# Altium PCB UltraZohm_ADC.PcbDoc (part 1 of 4)
Units mil, origin at the board's own origin, x right, y up, seen from the top; angles counter-clockwise.
Board outline 6141.69 x 3937.01 mil, 4 copper layers (Top Layer, GND, VCC, Bottom Layer), stack 30.634 mil thick; 408 components, 185 nets, 1136 pads, 511 vias.
Unrouted connection lines stored in the file: 7.
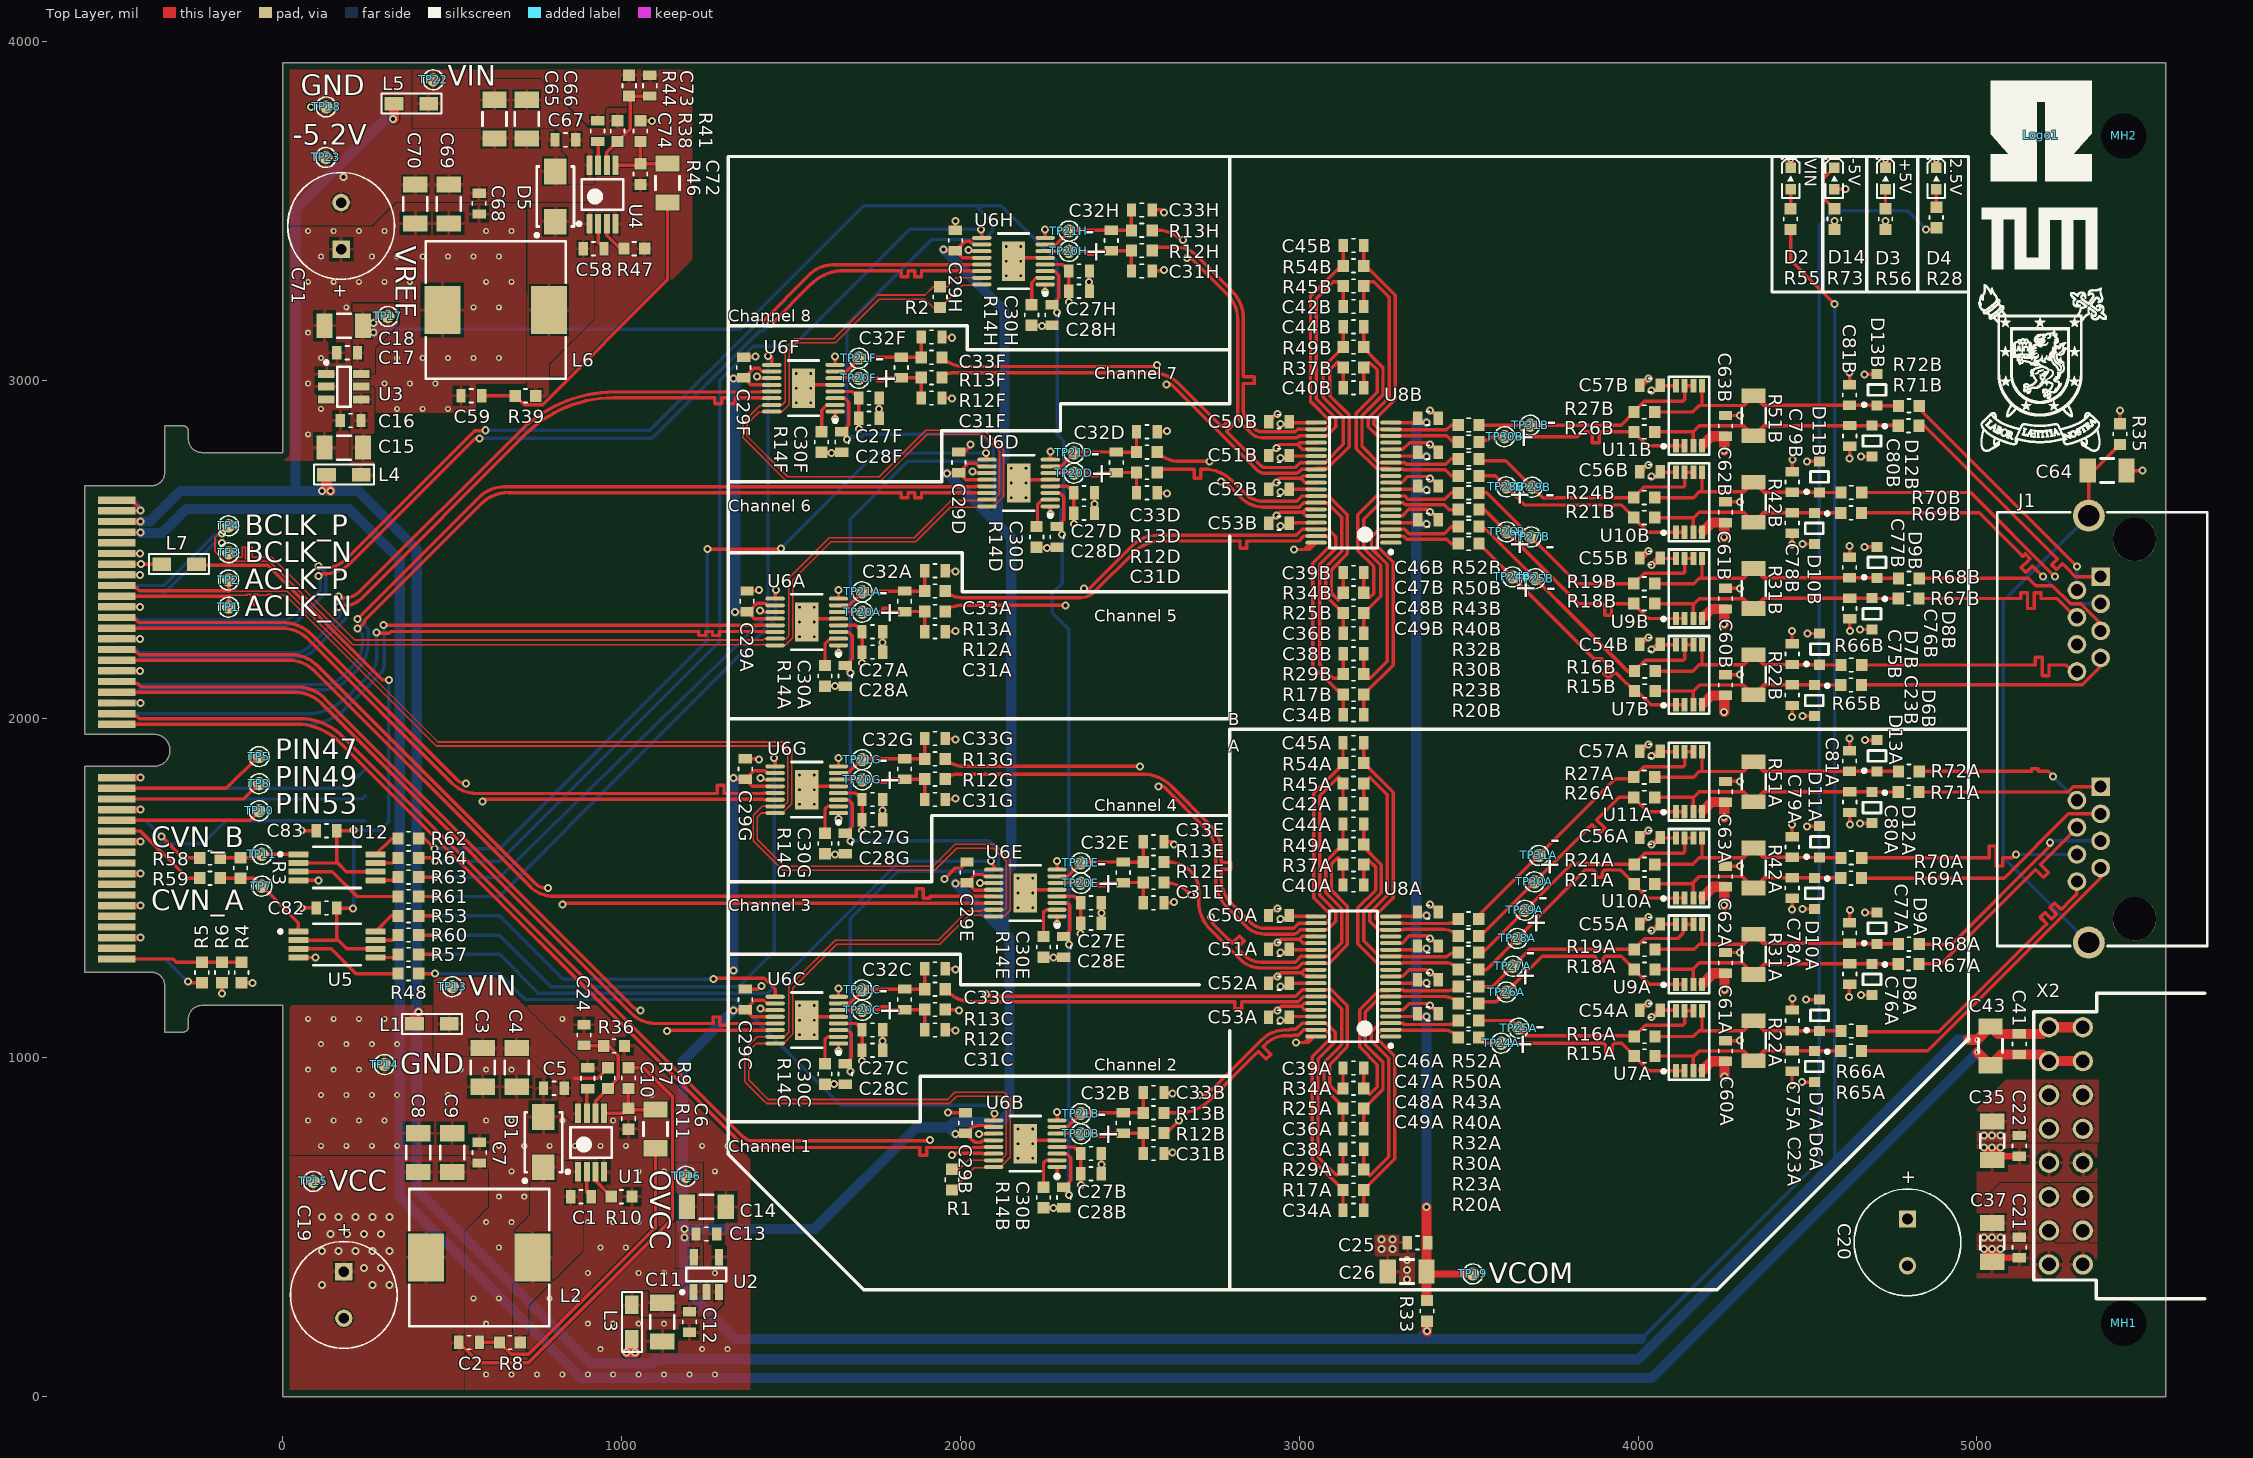
[diagram p0: Top Layer view]
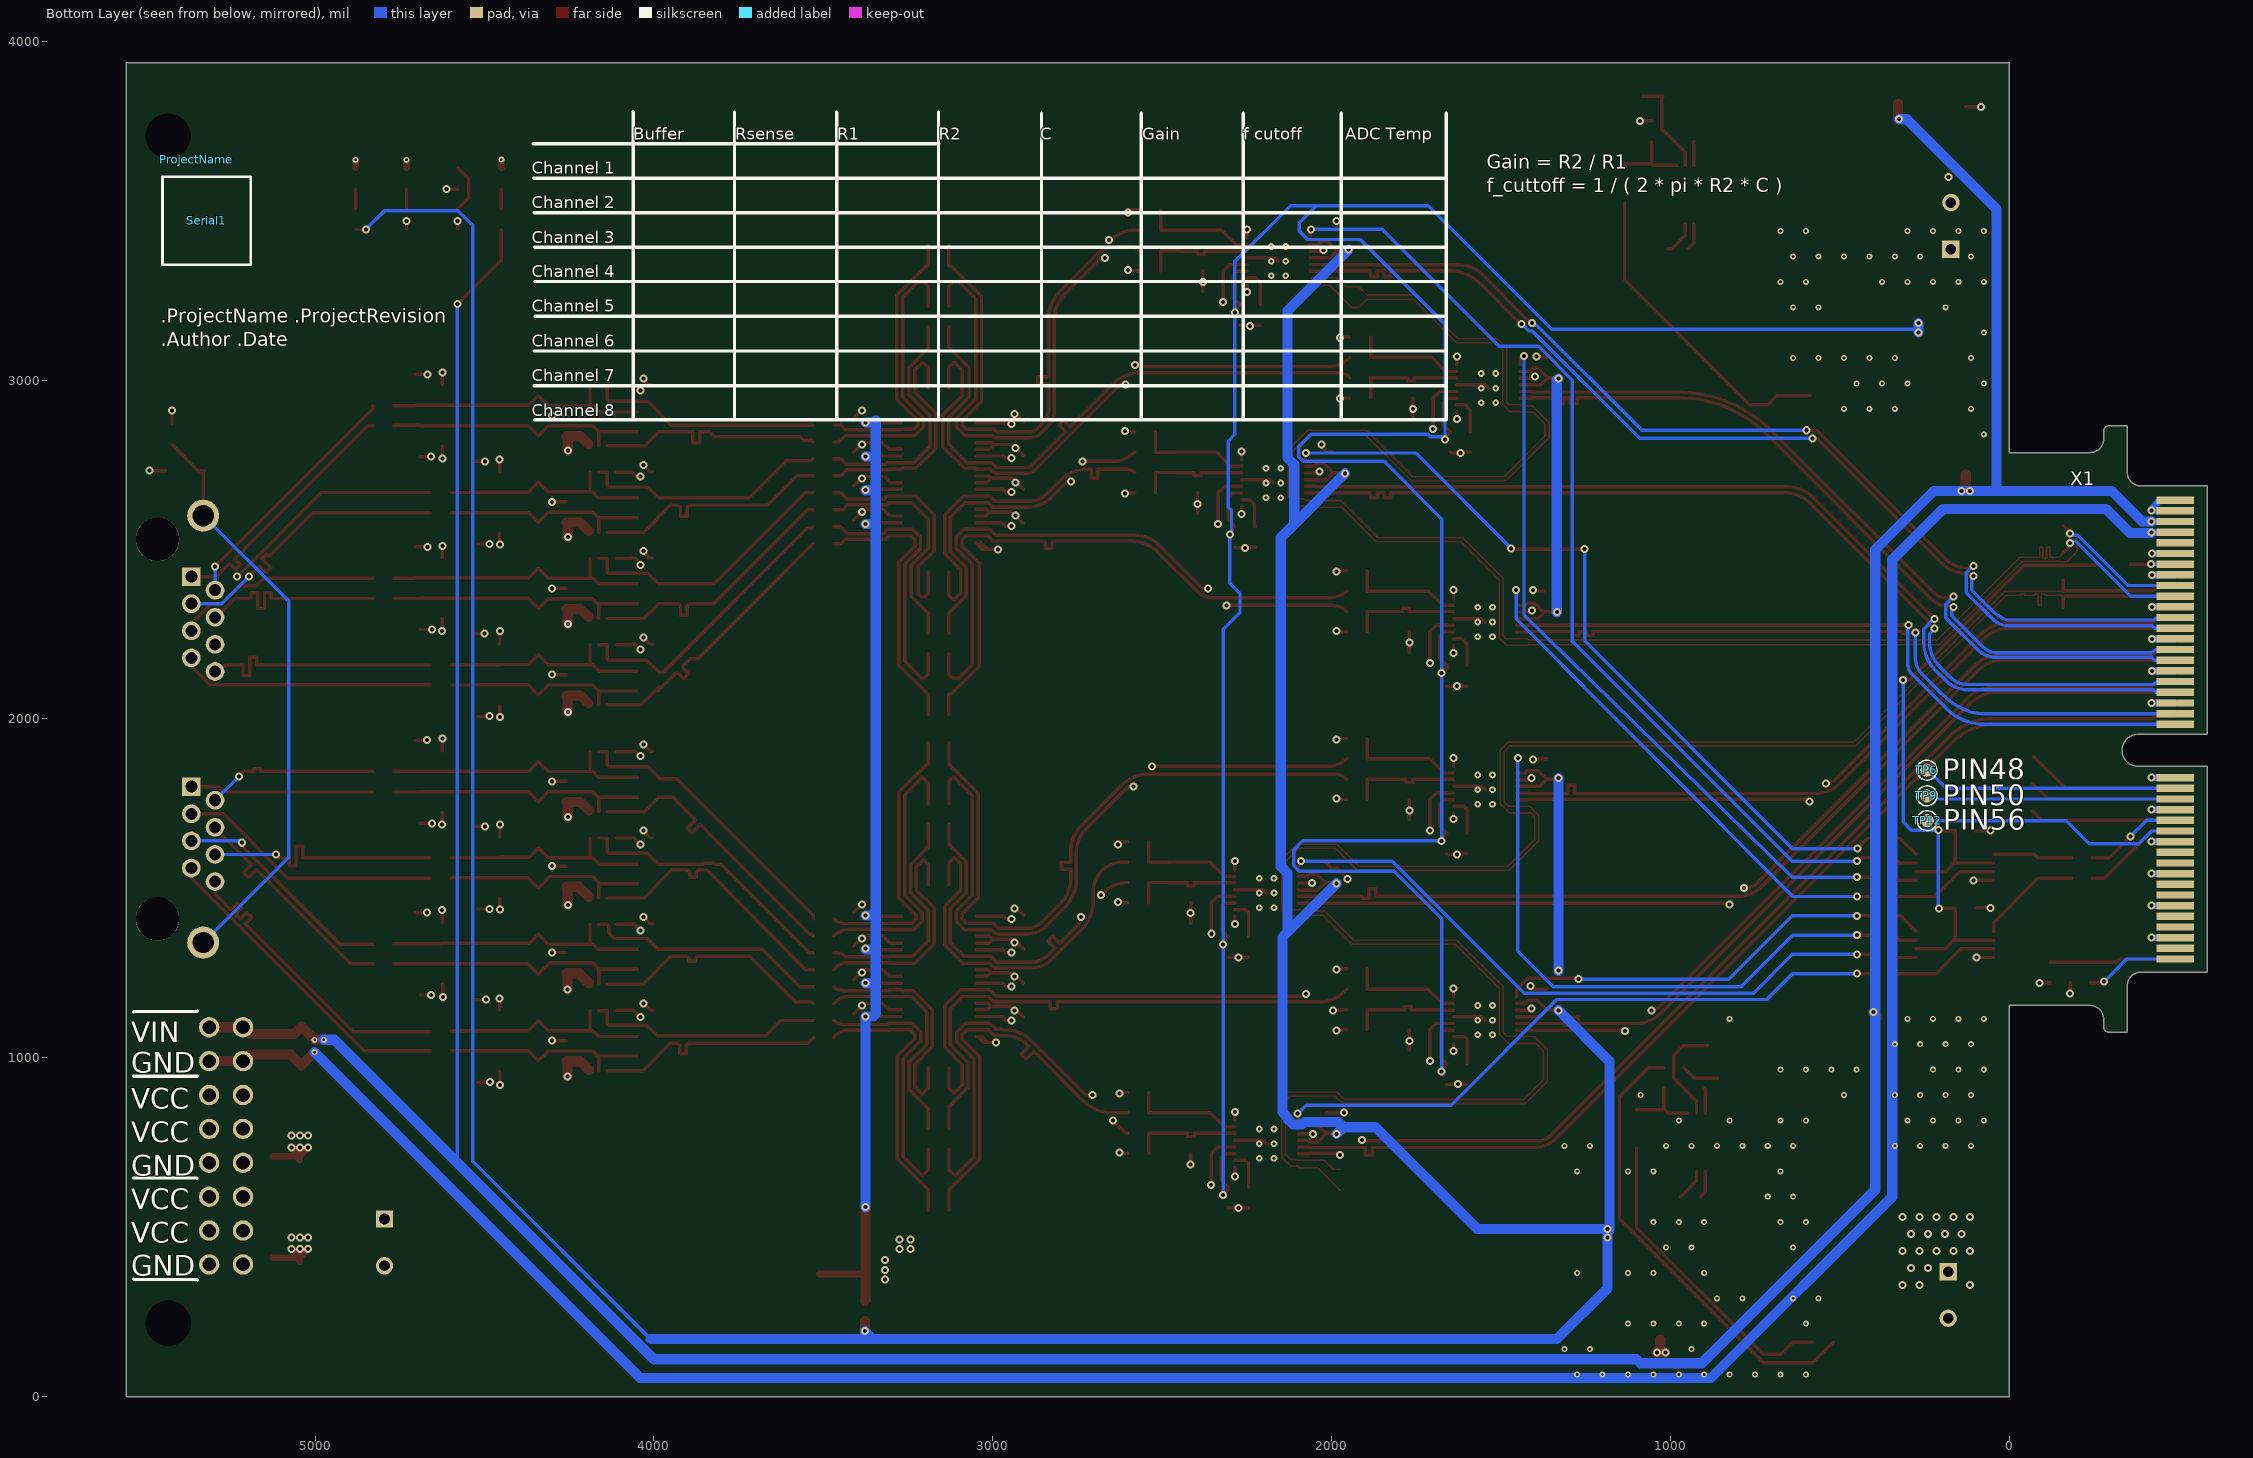
[diagram p1: Bottom Layer view, seen from below]
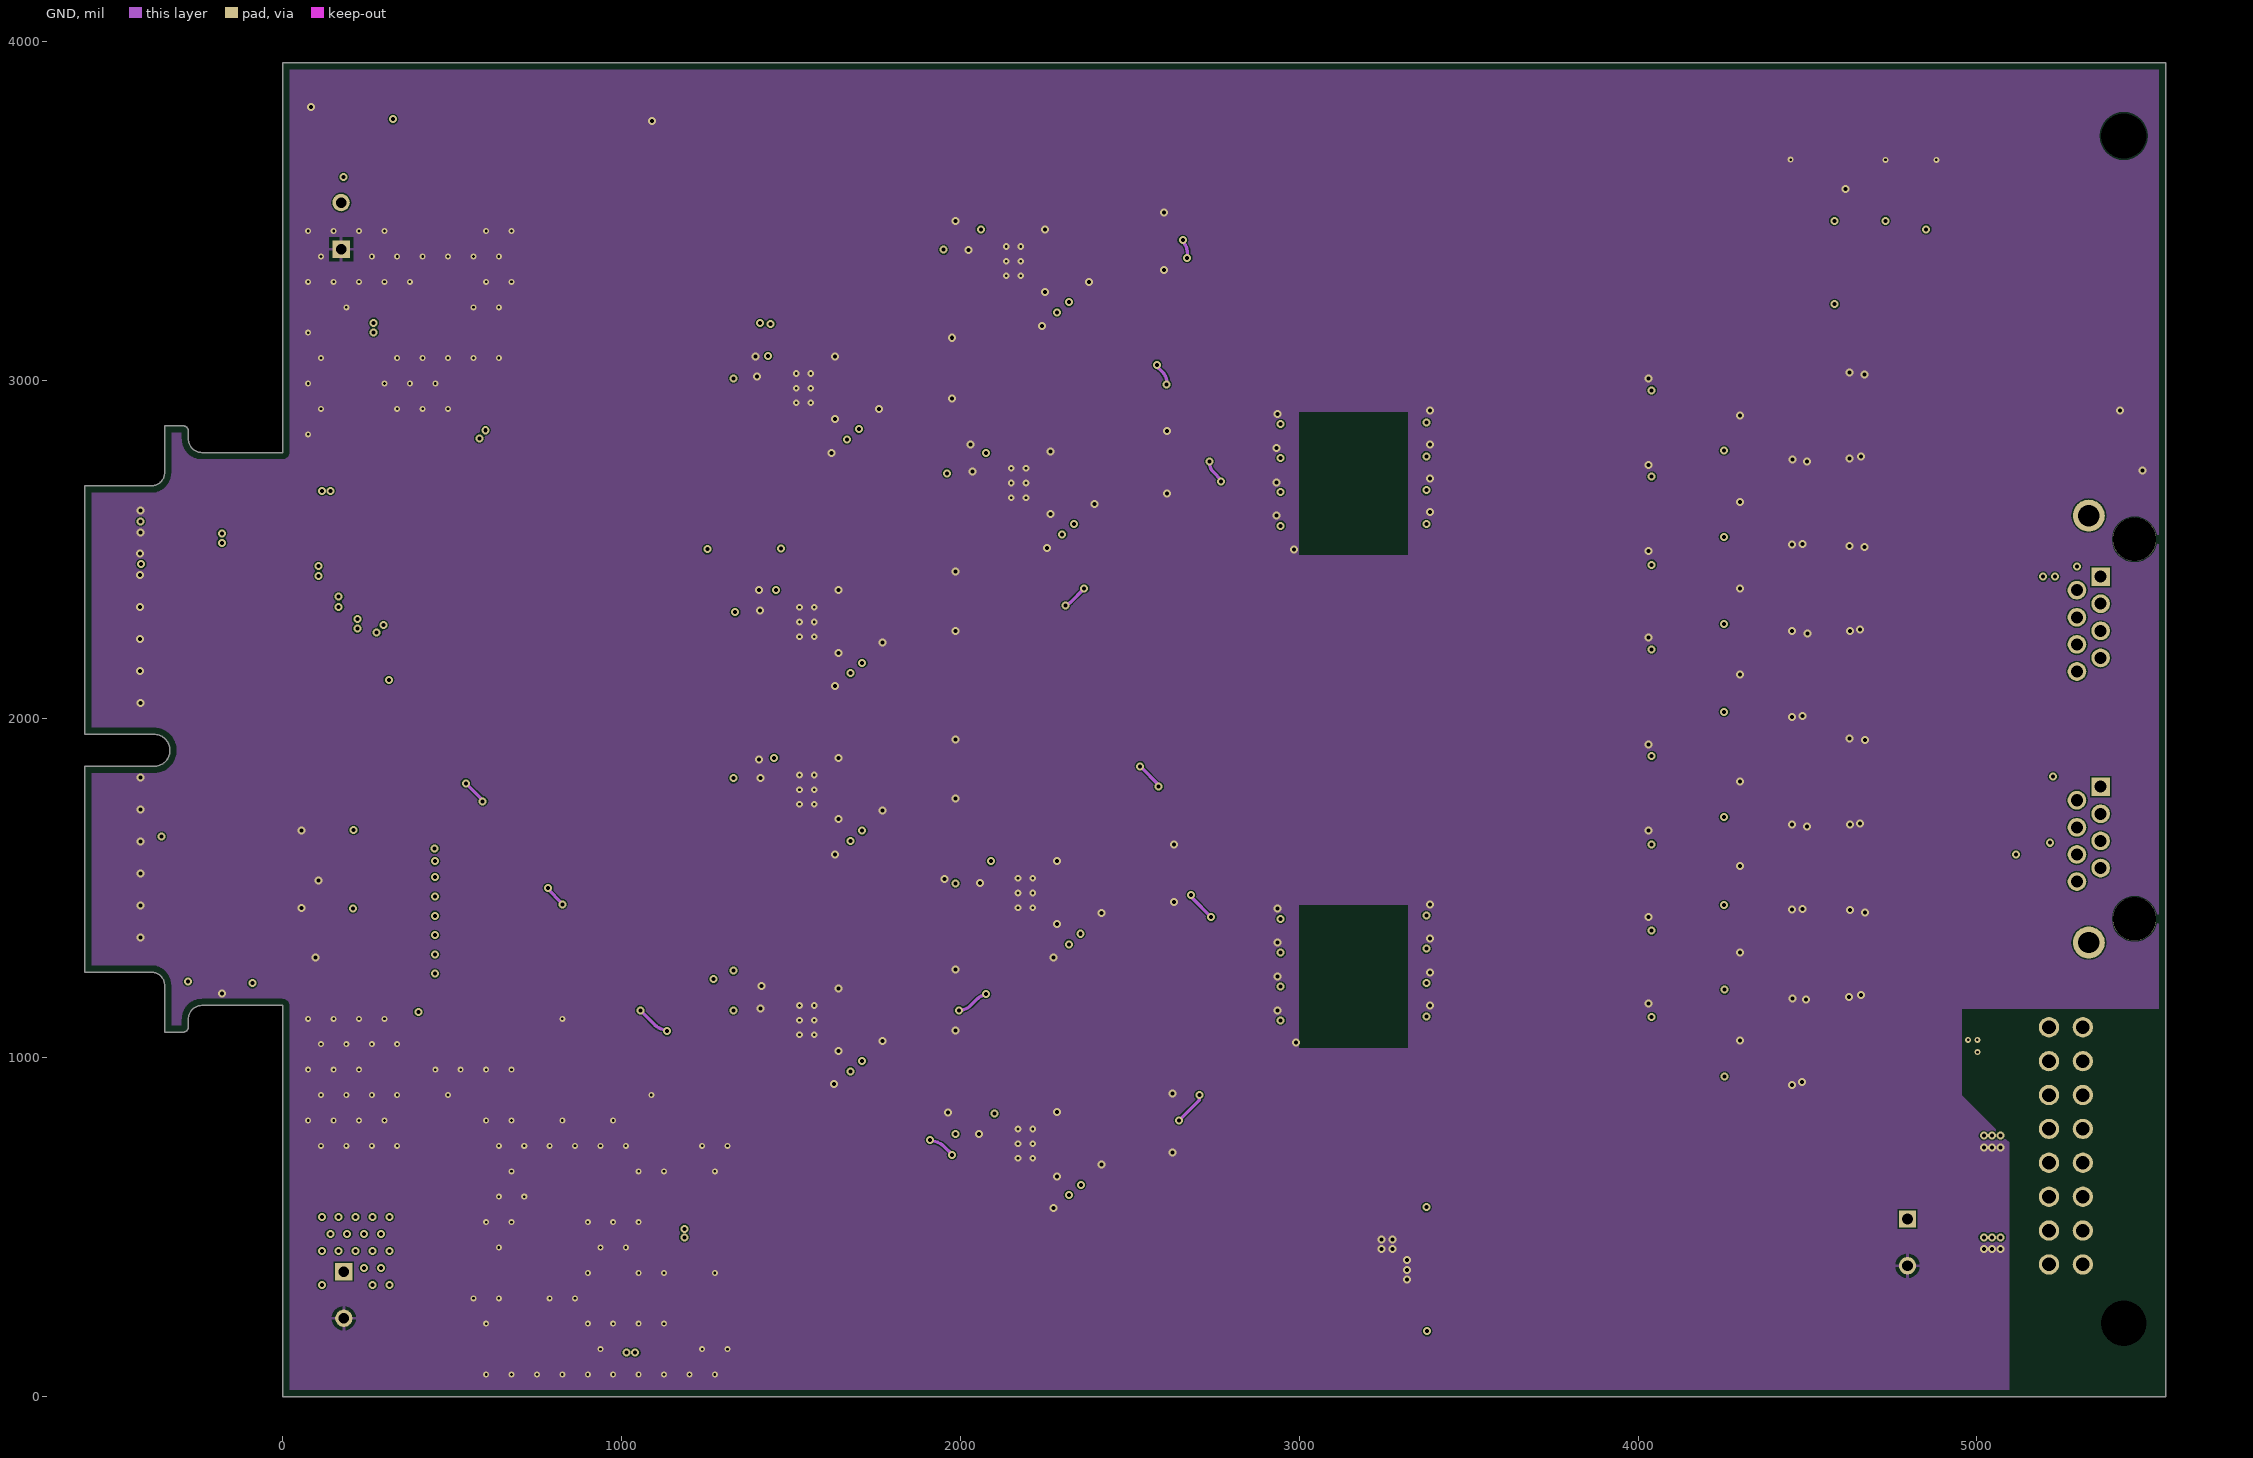
[diagram p2: GND]
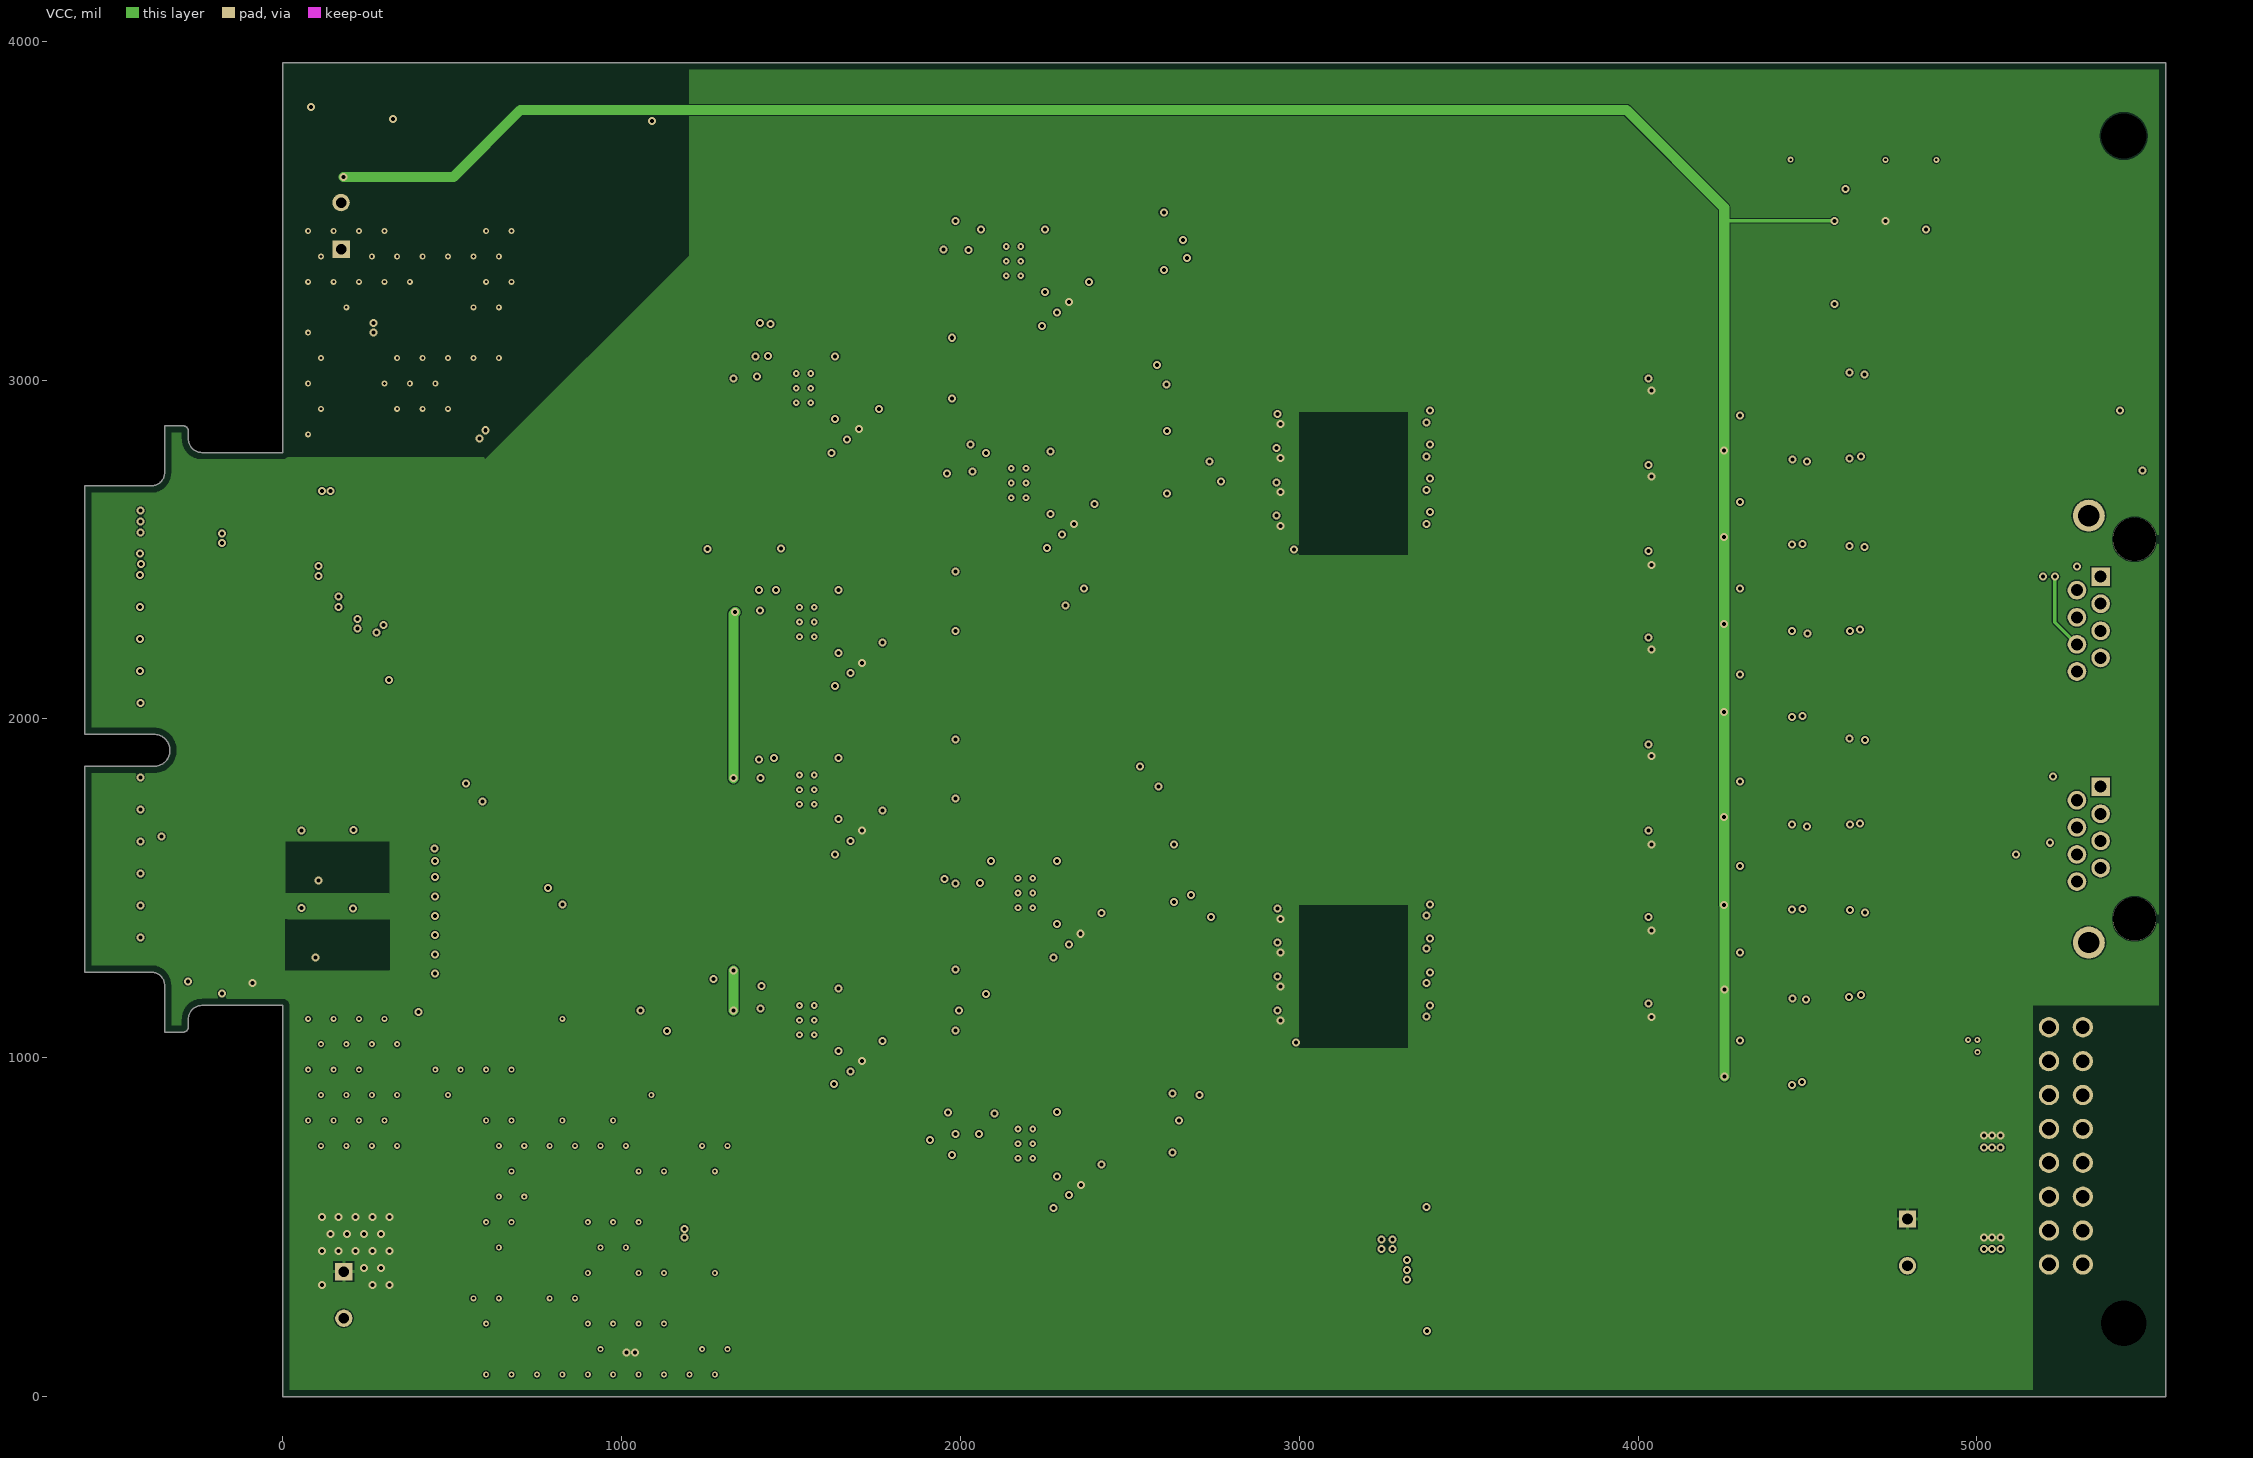
[diagram p3: VCC]
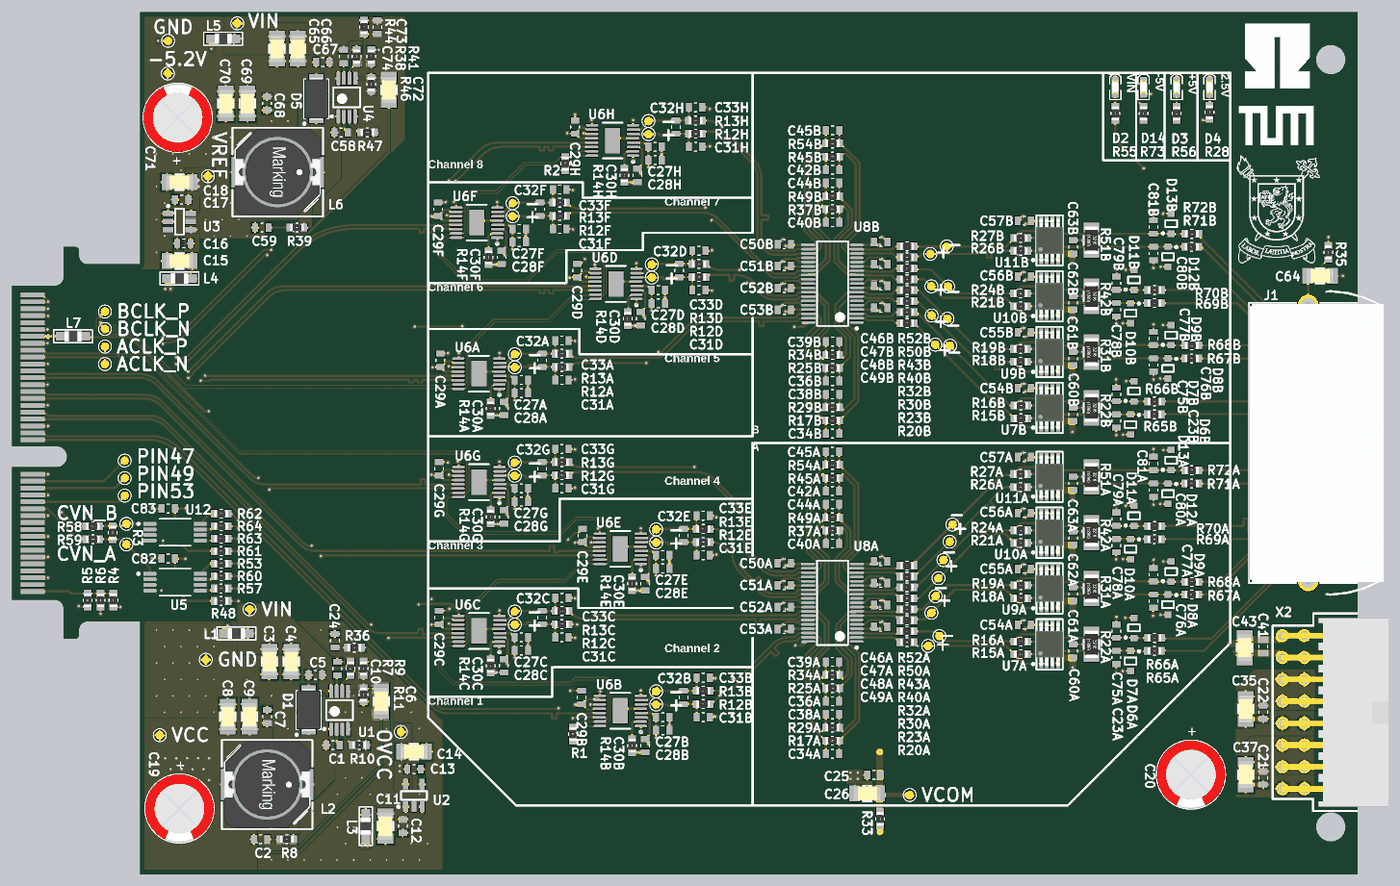
[diagram p7: 3D render of the assembled board from above, using the file's embedded part models]

## Layer stack, top to bottom
Top Solder: solder mask 0.4, Solder Resist, Dk 3.5
Top Layer: signal copper 1.4
Dielectric 1: core 10, FR-4, Dk 4.2
GND: signal copper 1.417
Dielectric 3: prepreg 5, Dk 4.2
VCC: signal copper 1.417
Dielectric 2: core 10, Dk 4.2
Bottom Layer: signal copper 1.4
Bottom Solder: solder mask 0.4, Solder Resist, Dk 3.5

## Board outline
-585,1252.8 -388.14,1252.8 cw(c-388.14,1213.43) -348.77,1213.43 -348.77,1075.63 -294.45,1075.63 ccw(c-294.45,1091.38) -278.7,1091.38 -278.7,1115 cw(c-239.33,1115) -239.33,1154.37 0,1154.37 0,0 5556.69,0 5556.69,3937.01 0,3937.01 0,2786.26 -239.33,2786.26 cw(c-239.33,2825.63) -278.7,2825.63 -278.7,2849.25 ccw(c-294.45,2849.25) -294.45,2865 -348.77,2865 -348.77,2727.2 cw(c-388.14,2727.2) -388.14,2687.83 -585,2687.83 -585,1954.57 -380.28,1954.57 cw(c-380.28,1907.32) -380.28,1860.08 -585,1860.08

## Design rules (kind name [scope] priority, off if disabled: settings)
BoardOutlineClearance BoardOutlineClearance_TopOverlay [OnLayer('Top Overlay') or OnLayer('Bottom Overlay')] p1: gap=0 ignorepadtopadclearanceinfootprint=FALSE
BoardOutlineClearance [All] p2: gap=20 ignorepadtopadclearanceinfootprint=FALSE except(0: Arc-SplitContinuation Track-SplitContinuation SMDPad-SplitContinuation THPad-SplitContinuation Via-SplitContinuation Fill-SplitContinuation Poly-SplitContinuation Region-SplitContinuation Text-OutlineEdge Text-CavityEdge Text-CutoutEdge Text-SplitBarrior Text-SplitContinuation; 10: SMDPad-OutlineEdge SMDPad-CavityEdge SMDPad-CutoutEdge SMDPad-SplitBarrior)
Clearance [All] p1: gap=3.5 ignorepadtopadclearanceinfootprint=FALSE except(0: Arc-Text Arc-Hole Track-Text Track-Hole SMDPad-Text SMDPad-Hole THPad-Text THPad-Hole Via-Text Via-Hole Fill-Text Fill-Hole Poly-Text Poly-Hole Region-Text Region-Hole Text-Text Text-Hole; 5: Arc-Via Track-Via SMDPad-Via THPad-Via Via-Via)
DiffPairsRouting [All] p1: maxlimit=10 minlimit=3.5 mostfreqgap=7 toplayer_minwidth=3.5 toplayer_maxwidth=15 toplayer_prefwidth=10 midlayer1_minwidth=3.5 midlayer1_maxwidth=15 midlayer1_prefwidth=10 midlayer2_minwidth=3.5 midlayer2_maxwidth=15 midlayer2_prefwidth=10 bottomlayer_minwidth=3.5 bottomlayer_maxwidth=15 bottomlayer_prefwidth=10 maxuncoupledlength=500
HoleSize [All] p1: absolutevalues=TRUE maxlimit=248.03 minlimit=7.87 maxpercent=80.000 minpercent=20.000
MatchedLengths [All] p1: tolerance=10 checknetsindiffpair=TRUE checkdiffpairvsdiffpair=FALSE checkxsignals=FALSE checkothers=FALSE
MinimumSolderMaskSliver [All] p1: minsoldermaskwidth=3.5
PlaneConnect [All] p1: pad.planeconnectstyle=Relief pad.reliefexpansion=20 pad.reliefentries=4 pad.reliefconductorwidth=10 pad.reliefairgap=10 via.planeconnectstyle=Direct via.reliefexpansion=20 via.reliefentries=4 via.reliefconductorwidth=10 via.reliefairgap=10
PolygonConnect PolygonConnect_GND [InNet('GND')] p1: thpad.connectstyle=Relief thpad.reliefconductorwidth=10 thpad.reliefentries=4 thpad.polygonreliefangle="90 Angle" thpad.airgapwidth=10 smdpad.connectstyle=Relief smdpad.reliefconductorwidth=10 smdpad.reliefentries=4 smdpad.polygonreliefangle="90 Angle" smdpad.airgapwidth=10 via.connectstyle=Direct via.reliefconductorwidth=10 via.reliefentries=4 via.polygonreliefangle="90 Angle" via.airgapwidth=10
PolygonConnect [All] p2: thpad.connectstyle=Relief thpad.reliefconductorwidth=10 thpad.reliefentries=4 thpad.polygonreliefangle="90 Angle" thpad.airgapwidth=5 smdpad.connectstyle=Relief smdpad.reliefconductorwidth=10 smdpad.reliefentries=4 smdpad.polygonreliefangle="90 Angle" smdpad.airgapwidth=5 via.connectstyle=Direct via.reliefconductorwidth=10 via.reliefentries=4 via.polygonreliefangle="90 Angle" via.airgapwidth=5
RoomDefinition Power [InComponentClass('Power')] p1: confinementstyle=ConfineIn formatcopy=TRUE lockcomponents=FALSE outline 2.02,3244.47 2.02,3624.98 85.5,3624.98 85.5,3698.5 86.42,3698.5 86.42,3847.71 277.66,3847.71 277.66,3858.26 402.5,3858.26 402.5,3927.5 983.66,3927.5 983.66,3936.85 1042.69,3936.85 1042.69,3938.82 1123.71,3938.82 1123.71,3683.71 1191.85,3683.71 1191.85,691.5 1231.5,691.5 1231.5,616.65 1351.93,616.65 1351.93,494.51 3419.02,494.51 3419.02,425.65 3419.84,425.65 3419.84,403.5 3553.5,403.5 3553.5,320.5 3419.84,320.5 3419.84,312.35 3415.54,312.35 3415.54,184.93 1240.51,184.93 1240.51,149.96 1176.65,149.96 1176.65,118.07 1063.35,118.07 1063.35,118.46 987.52,118.46 987.52,119.49 479.96,119.49 479.96,130.02 10.02,130.02 10.02,3244.47
RoomDefinition U_CarrierConnector [InComponentClass('U_CarrierConnector')] p2: confinementstyle=ConfineIn formatcopy=TRUE lockcomponents=FALSE outline -594.99,1054.03 -594.99,2864.4 156.97,2864.4 156.97,1901.5 321.5,1901.5 321.5,1658.5 156.97,1658.5 156.97,1054.03
RoomDefinition U_AnalogConnector [InComponentClass('U_AnalogConnector')] p3: confinementstyle=ConfineIn formatcopy=TRUE lockcomponents=FALSE outline 4515,3626.81 4515,3855 4993.94,3855 4993.94,3894.3 5393.44,3894.3 5393.44,3855 5467.36,3855 5467.36,3794.93 5476.93,3794.93 5476.93,2690.98 5700.98,2690.98 5700.98,1250.05 5707.56,1250.05 5707.56,274.21 5476.93,274.21 5476.93,80.07 5323.07,80.07 5323.07,274.21 5153.07,274.21 5153.07,285.02 4625.02,285.02 4625.02,3406.93 4541.46,3406.93 4541.46,3524.8 4541.3,3524.8 4541.3,3626.81
RoomDefinition OpAmp2 [InComponentClass('OpAmp2')] p4: confinementstyle=ConfineIn formatcopy=TRUE lockcomponents=FALSE outline 2869.96,2536.89 2869.96,2917.91 3089.96,2917.91 3089.96,3437.91 3230.04,3437.91 3230.04,3048.41 4746.5,3048.41 4746.5,2962.83 4867.07,2962.83 4867.07,2376.55 4866.58,2376.55 4866.58,2316.74 4748.01,2316.74 4748.01,2233.16 4697.07,2233.16 4697.07,2120.74 4696.58,2120.74 4696.58,2061.74 4578.01,2061.74 4578.01,1977.09 3230.04,1977.09 3230.04,1971.89 3089.96,1971.89 3089.96,2472.83 2995.47,2472.83 2995.47,2536.89
RoomDefinition OpAmp1 [InComponentClass('OpAmp1')] p5: confinementstyle=ConfineIn formatcopy=TRUE lockcomponents=FALSE outline 2869.45,1079.49 2869.45,1460.51 3089.45,1460.51 3089.45,1970.51 3229.53,1970.51 3229.53,1968.35 4746.5,1968.35 4746.5,1883.83 4867.07,1883.83 4867.07,1296.74 4866.58,1296.74 4866.58,1238.74 4748.01,1238.74 4748.01,1154.16 4697.07,1154.16 4697.07,1040.74 4696.58,1040.74 4696.58,981.74 4578.01,981.74 4578.01,897.09 3229.53,897.09 3229.53,509.49 3089.45,509.49 3089.45,1015.43 2994.96,1015.43 2994.96,1079.49
RoomDefinition ADC8 [InComponentClass('ADC8')] p6: confinementstyle=ConfineIn formatcopy=TRUE lockcomponents=FALSE outline 1944.49,3342.17 1944.49,3482.24 2464.96,3482.24 2464.96,3542.72 2605.04,3542.72 2605.04,3281.69 2420.04,3281.69 2420.04,3221.69 2310.51,3221.69 2310.51,3122.17 2229.49,3122.17 2229.49,3124.13 2171.46,3124.13 2171.46,3234.7 2018.54,3234.7 2018.54,3342.17
RoomDefinition ADC7 [InComponentClass('ADC7')] p7: confinementstyle=ConfineIn formatcopy=TRUE lockcomponents=FALSE outline 1324.49,1782.17 1324.49,1922.24 1854.96,1922.24 1854.96,1982.72 1995.04,1982.72 1995.04,1721.69 1810.04,1721.69 1810.04,1661.69 1700.51,1661.69 1700.51,1562.17 1619.49,1562.17 1619.49,1564.13 1561.46,1564.13 1561.46,1674.7 1408.54,1674.7 1408.54,1782.17
RoomDefinition ADC6 [InComponentClass('ADC6')] p8: confinementstyle=ConfineIn formatcopy=TRUE lockcomponents=FALSE outline 1319.49,2967.17 1319.49,3107.24 1844.96,3107.24 1844.96,3167.72 1985.04,3167.72 1985.04,2906.69 1800.04,2906.69 1800.04,2846.69 1690.51,2846.69 1690.51,2747.17 1609.49,2747.17 1609.49,2749.13 1551.46,2749.13 1551.46,2859.7 1398.54,2859.7 1398.54,2967.17
RoomDefinition ADC5 [InComponentClass('ADC5')] p9: confinementstyle=ConfineIn formatcopy=TRUE lockcomponents=FALSE outline 1978.49,1477.17 1978.49,1617.24 2499.96,1617.24 2499.96,1677.72 2640.04,1677.72 2640.04,1416.69 2455.04,1416.69 2455.04,1356.69 2345.51,1356.69 2345.51,1257.17 2264.49,1257.17 2264.49,1259.13 2206.46,1259.13 2206.46,1369.7 2053.54,1369.7 2053.54,1477.17
RoomDefinition ADC4 [InComponentClass('ADC4')] p10: confinementstyle=ConfineIn formatcopy=TRUE lockcomponents=FALSE outline 1954.49,2687.36 1954.49,2827.44 2479.96,2827.44 2479.96,2887.91 2620.04,2887.91 2620.04,2626.89 2435.04,2626.89 2435.04,2566.89 2325.51,2566.89 2325.51,2467.36 2244.49,2467.36 2244.49,2469.33 2186.46,2469.33 2186.46,2579.9 2033.54,2579.9 2033.54,2687.36
RoomDefinition ADC3 [InComponentClass('ADC3')] p11: confinementstyle=ConfineIn formatcopy=TRUE lockcomponents=FALSE outline 1324.49,1102.17 1324.49,1242.24 1854.96,1242.24 1854.96,1302.72 1995.04,1302.72 1995.04,1041.69 1810.04,1041.69 1810.04,981.69 1700.51,981.69 1700.51,882.17 1619.49,882.17 1619.49,884.13 1561.46,884.13 1561.46,994.7 1408.54,994.7 1408.54,1102.17